# Altium PCB PCB.PcbDoc (part 2 of 2)
Units mm, origin at the board's own origin, x right, y up, seen from the top; angles counter-clockwise.
Board outline 116.25 x 94.25 mm, 4 copper layers (GTL, GL2, GL3, GBL), stack 1.543 mm thick; 176 components, 132 nets, 641 pads, 243 vias.
Unrouted connection lines stored in the file: 8.
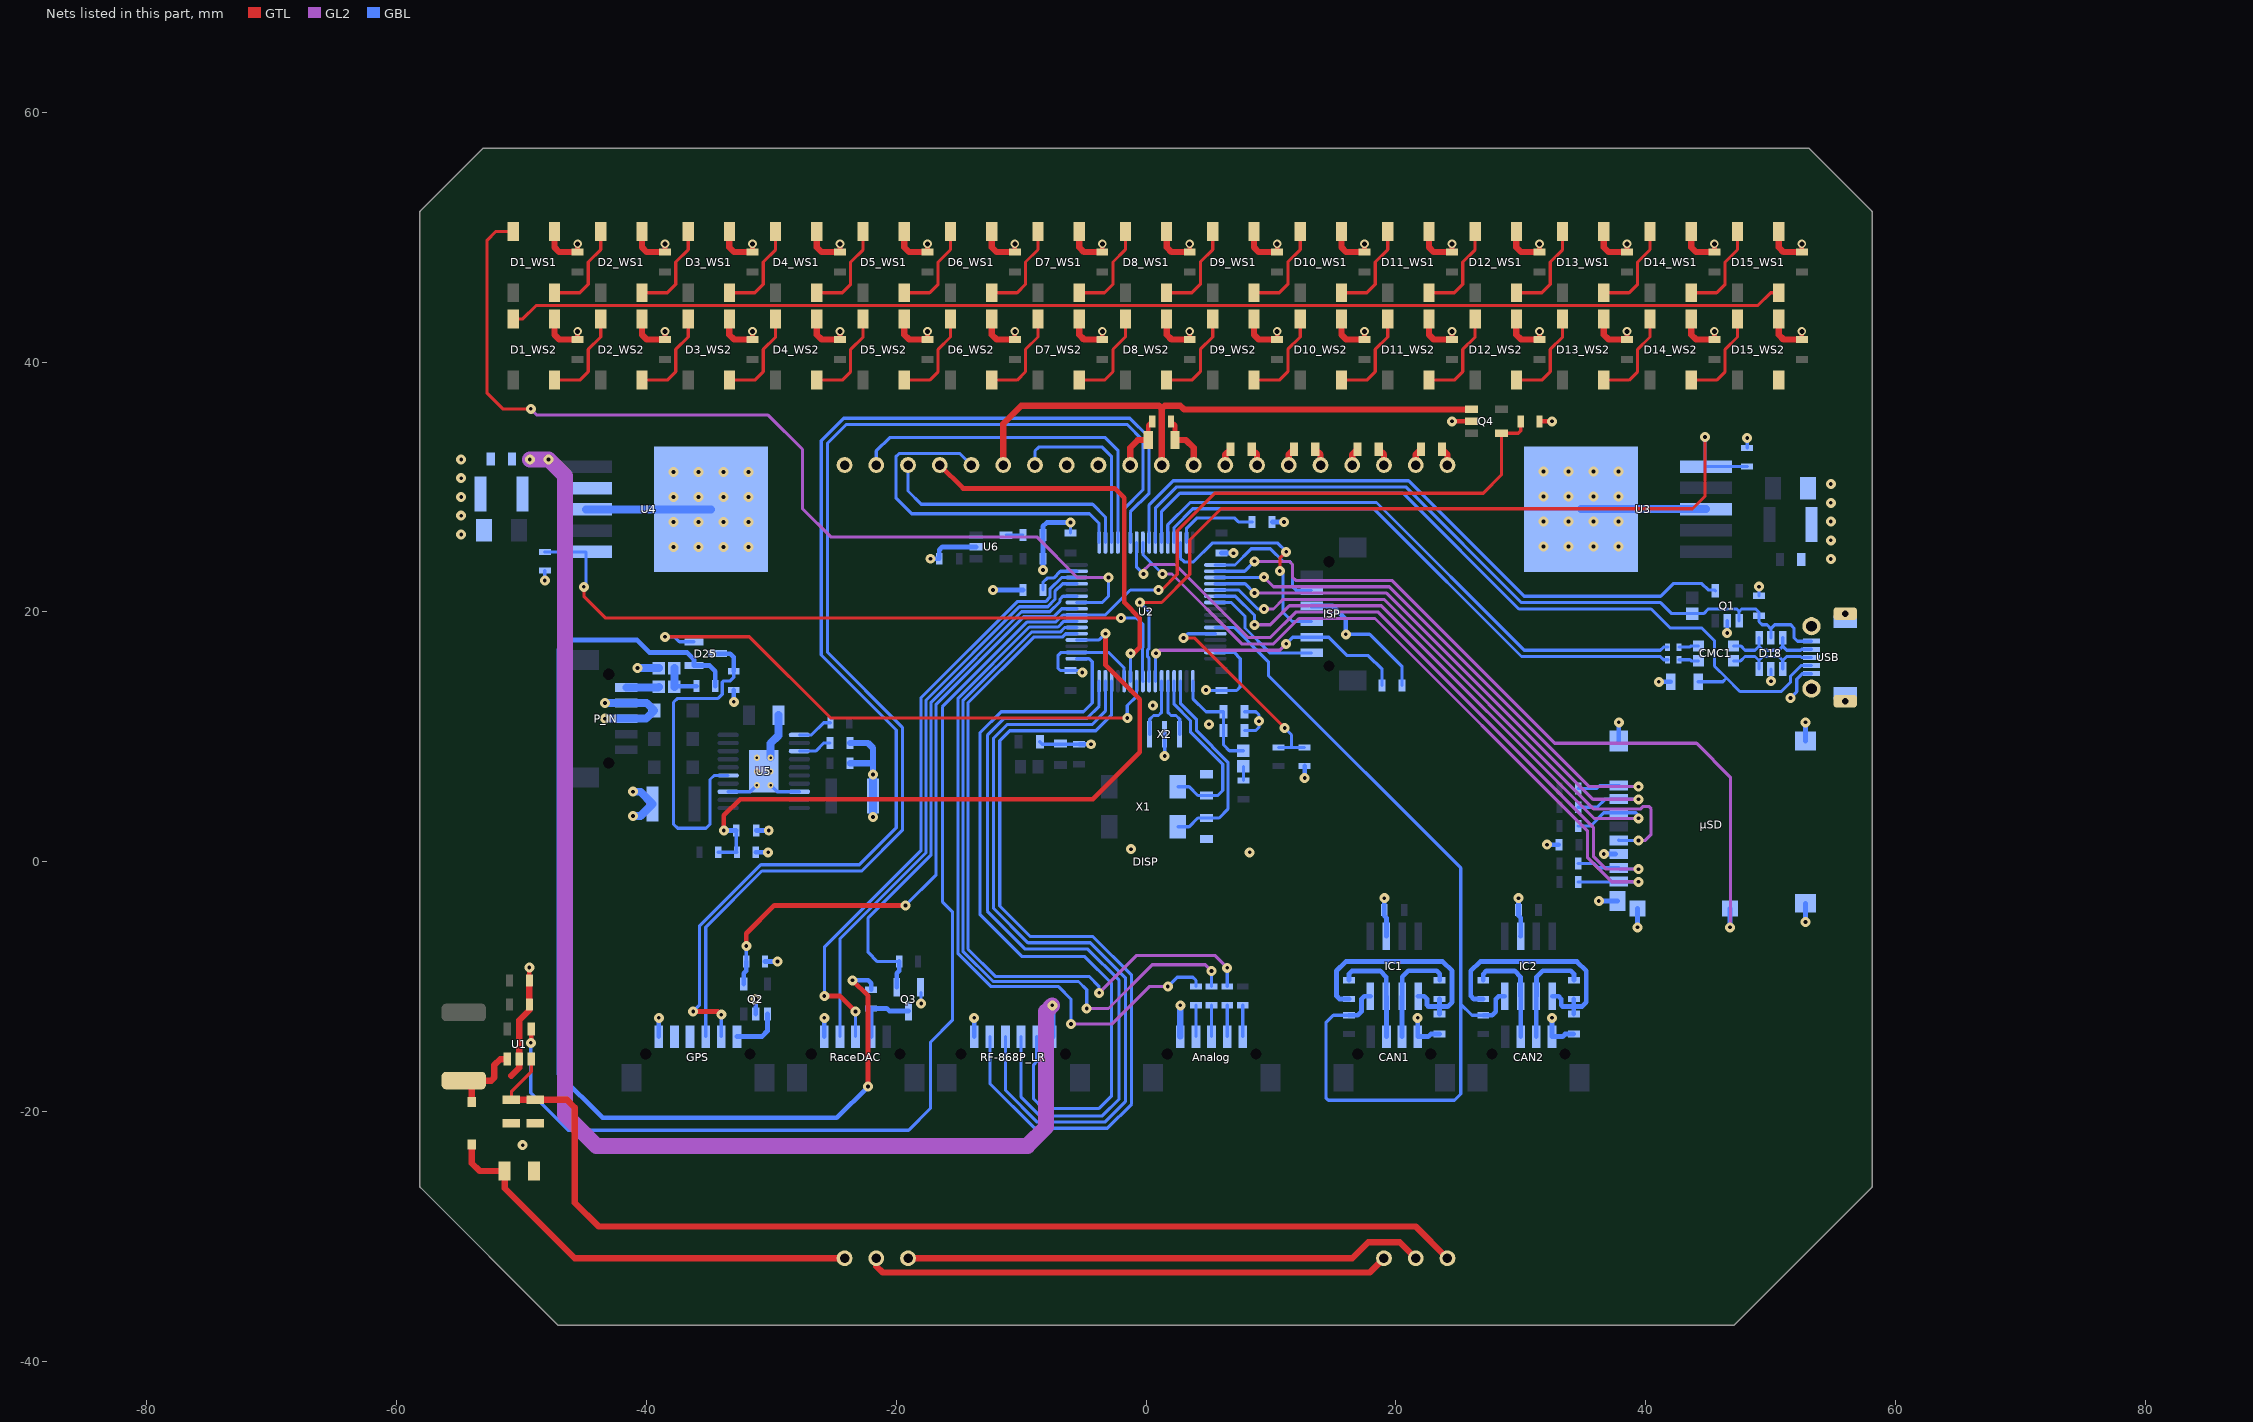
[diagram p4: the nets of this part, all layers, seen from the top]

## Via types
v1: diameter 0.8, hole 0.3, GTL to GBL, 177 vias
v2: diameter 0.7, hole 0.4, GTL to GBL, 60 vias
v3: diameter 0.5, hole 0.2, GTL to GBL, 6 vias

## Nets (pads, with @x,y where several pads share a name; then routed paths per layer and width w, separated by ;. In a path a pad name is that pad's centre, name@x,y a point inside that pad or via, vN(x,y) a via of type N, cw(c..) or ccw(c..) an arc to the next point about the centre after c; other vN are vias at no path point) (continued)
CAN_E\N\: IC1.8 IC2.8 R21.1 R22.1 U2.59 | length 73.6
  GBL w0.254: U2.59@5.55,18.75 7.05,18.75 9.8,16 9.8,14.9 25.2,-0.5 25.2,-11.4 ; R21.1@16.25,-12.3 15,-12.3 14.4,-12.9 14.4,-18.9 14.6,-19.1 24.7,-19.1 25.2,-18.6 25.2,-11.4 ; R22.1@27,-12.3 26.1,-12.3 25.2,-11.4
  GBL w0.381: R21.1@16.25,-12.3 16.95,-12.3 17.25,-12 17.25,-11 17.475,-10.775 IC1.8@17.97,-10.775 ; R22.1@27,-12.3 27.7,-12.3 28,-12 28,-11 28.225,-10.775 IC2.8@28.72,-10.775
DOG_VDD: DISP.30 DISP.35 Q4.1 | length 46.2
  GTL w0.508: DISP.35@-11.43,31.75 -11.43,35.07 -10,36.5 1.04,36.5 1.27,36.27 ; DISP.30@1.27,31.75 1.27,36.27 ; Q4.1@26.05,36.2 3.05,36.2 2.75,36.5 1.5,36.5 1.27,36.27
ENABLE_MAIN: D25.3 R27.2 U5.15 | length 27.3
  GBL w0.254: U5.15@-33.45,6.9 -34.575,6.9 -34.9,6.575 -34.9,3 -35.225,2.675 -37.5,2.675 -37.825,3 -37.825,12.75 -37.5,13.075 -34.25,13.075 -33.925,13.4 -33.925,14.375 -33.825,14.475 -33.275,14.475 -33,14.75 R27.2@-33,15.25
  GBL w0.381: D25.3@-34.275,16.65 -33.275,16.65 -33,16.375 R27.2@-33,15.25
GND: Analog.5 C1_WS1.1 C1_WS2.1 C2_WS1.1 C2_WS2.1 C3_WS1.1 C3_WS2.1 C4_WS1.1 C4_WS2.1 C5_WS1.1 C5_WS2.1 C6_WS1.1 C6_WS2.1 C7_WS1.1 C7_WS2.1 C8_WS1.1 C8_WS2.1 C9_WS1.1 C9_WS2.1 C10_WS1.1 C10_WS2.1 C11_WS1.1 C11_WS2.1 C12_WS1.1 C12_WS2.1 C13_WS1.1 C13_WS2.1 C14_WS1.1 C14_WS2.1 C15_WS1.1 C15_WS2.1 C16.1 C17.2 C18.2 C23.1 C24.2 C25.2 C26.2 C27.2 C28.2 C29.2 C30.2 C31.2 C32.2 C33.2 C34.2 C35.2 C36.2 C37.1 C38.2 C39.2 C40.2 C41.2 C42.2 C43.2 C44.2 C45.2 C46.1 C47.1 C48.2 C49.2 C50.2 C51.2 C52.1 C53.1 C54.2 C55.1 C56.1 C57.2 C58.1 CAN1.1 CAN2.1 D1_WS1.3 D1_WS2.3 D2_WS1.3 D2_WS2.3 D3_WS1.3 D3_WS2.3 D4_WS1.3 D4_WS2.3 D5_WS1.3 D5_WS2.3 D6_WS1.3 D6_WS2.3 D7_WS1.3 D7_WS2.3 D8_WS1.3 D8_WS2.3 D9_WS1.3 D9_WS2.3 D10_WS1.3 D10_WS2.3 D11_WS1.3 D11_WS2.3 D12_WS1.3 D12_WS2.3 D13_WS1.3 D13_WS2.3 D14_WS1.3 D14_WS2.3 D15_WS1.3 D15_WS2.3 D18.2 D23.2 D24.1 DISP.31 DISP.32 DISP.33 DISP.40 GPS.6 IC1.2 IC2.2 ISP.3 P_IN.3 P_IN.4 Q1.2 Q2.2 Q3.2 Q4.2 R1.1 R2.1 R3.1 R4.1 R7.2 R15.1 R16.1 R23.2 R27.1 R29.2 R31.1 RaceDAC.5 RF-868P_LR.6 U1.2 U2.12 U2.18 U2.63 U3.3 U3.6 U4.3 U4.6 U5.8 U5.13 U5.21 U6.2 USB.5 USB.6 X2.2 µSD.6 µSD.9 µSD.11 | length 284.9
  GTL w0.381: C18.2@-49.365,-9.525 v1(-49.365,-8.465) ; C1_WS2.1@-45.5,41.8 v2(-45.5,42.458) ; C1_WS1.1@-45.5,48.8 v2(-45.5,49.458) ; C2_WS2.1@-38.5,41.8 v2(-38.5,42.458) ; C2_WS1.1@-38.5,48.8 v2(-38.5,49.458) ; C3_WS2.1@-31.5,41.8 v2(-31.5,42.458) ; C3_WS1.1@-31.5,48.8 v2(-31.5,49.458) ; C4_WS2.1@-24.5,41.8 v2(-24.5,42.458) ; C4_WS1.1@-24.5,48.8 v2(-24.5,49.458) ; C5_WS2.1@-17.5,41.8 v2(-17.5,42.458) ; C5_WS1.1@-17.5,48.8 v2(-17.5,49.458) ; C6_WS2.1@-10.5,41.8 v2(-10.5,42.458) ; C6_WS1.1@-10.5,48.8 v2(-10.5,49.458) ; C7_WS2.1@-3.5,41.8 v2(-3.5,42.458) ; C7_WS1.1@-3.5,48.8 v2(-3.5,49.458) ; C39.2@0.175,33.75 0.175,34.925 R29.2@0.5,35.25 ; C8_WS2.1@3.5,41.8 v2(3.5,42.458) ; C8_WS1.1@3.5,48.8 v2(3.5,49.458) ; C9_WS2.1@10.5,41.8 v2(10.5,42.458) ; C9_WS1.1@10.5,48.8 v2(10.5,49.458) ; C10_WS2.1@17.5,41.8 v2(17.5,42.458) ; C10_WS1.1@17.5,48.8 v2(17.5,49.458) ; v1(24.5,35.25) Q4.2@26.05,35.25 ; C11_WS2.1@24.5,41.8 v2(24.5,42.458) ; C11_WS1.1@24.5,48.8 v2(24.5,49.458) ; R1.1@31.5,35.25 v1(32.5,35.25) ; C12_WS2.1@31.5,41.8 v2(31.5,42.458) ; C12_WS1.1@31.5,48.8 v2(31.5,49.458) ; C13_WS2.1@38.5,41.8 v2(38.5,42.458) ; C13_WS1.1@38.5,48.8 v2(38.5,49.458) ; C14_WS2.1@45.5,41.8 v2(45.5,42.458) ; C14_WS1.1@45.5,48.8 v2(45.5,49.458) ; C15_WS2.1@52.5,41.8 v2(52.5,42.458) ; C15_WS1.1@52.5,48.8 v2(52.5,49.458)
  GTL w0.508: -50.8,-17.145 -50.165,-16.51 U1.2@-50.165,-15.805 -50.165,-12.7 -49.365,-11.9 C17.2@-49.365,-11.43 C18.2@-49.365,-9.525 ; D1_WS2.3@-47.35,43.45 -47.35,42.188 -46.962,41.8 C1_WS2.1@-45.5,41.8 ; D1_WS1.3@-47.35,50.45 -47.35,49.188 -46.962,48.8 C1_WS1.1@-45.5,48.8 ; D2_WS2.3@-40.35,43.45 -40.35,42.188 -39.962,41.8 C2_WS2.1@-38.5,41.8 ; D2_WS1.3@-40.35,50.45 -40.35,49.188 -39.962,48.8 C2_WS1.1@-38.5,48.8 ; D3_WS2.3@-33.35,43.45 -33.35,42.188 -32.962,41.8 C3_WS2.1@-31.5,41.8 ; D3_WS1.3@-33.35,50.45 -33.35,49.188 -32.962,48.8 C3_WS1.1@-31.5,48.8 ; D4_WS2.3@-26.35,43.45 -26.35,42.188 -25.962,41.8 C4_WS2.1@-24.5,41.8 ; D4_WS1.3@-26.35,50.45 -26.35,49.188 -25.962,48.8 C4_WS1.1@-24.5,48.8 ; D5_WS2.3@-19.35,43.45 -19.35,42.188 -18.962,41.8 C5_WS2.1@-17.5,41.8 ; D5_WS1.3@-19.35,50.45 -19.35,49.188 -18.962,48.8 C5_WS1.1@-17.5,48.8 ; D6_WS2.3@-12.35,43.45 -12.35,42.188 -11.962,41.8 C6_WS2.1@-10.5,41.8 ; D6_WS1.3@-12.35,50.45 -12.35,49.188 -11.962,48.8 C6_WS1.1@-10.5,48.8 ; D7_WS2.3@-5.35,43.45 -5.35,42.188 -4.962,41.8 C7_WS2.1@-3.5,41.8 ; D7_WS1.3@-5.35,50.45 -5.35,49.188 -4.962,48.8 C7_WS1.1@-3.5,48.8 ; DISP.31@-1.27,31.75 -1.27,33.138 -0.658,33.75 C39.2@0.175,33.75 ; D8_WS2.3@1.65,43.45 1.65,42.188 2.038,41.8 C8_WS2.1@3.5,41.8 ; D8_WS1.3@1.65,50.45 1.65,49.188 2.038,48.8 C8_WS1.1@3.5,48.8 ; D9_WS2.3@8.65,43.45 8.65,42.188 9.038,41.8 C9_WS2.1@10.5,41.8 ; D9_WS1.3@8.65,50.45 8.65,49.188 9.038,48.8 C9_WS1.1@10.5,48.8 ; D10_WS2.3@15.65,43.45 15.65,42.188 16.038,41.8 C10_WS2.1@17.5,41.8 ; D10_WS1.3@15.65,50.45 15.65,49.188 16.038,48.8 C10_WS1.1@17.5,48.8 ; D11_WS2.3@22.65,43.45 22.65,42.188 23.038,41.8 C11_WS2.1@24.5,41.8 ; D11_WS1.3@22.65,50.45 22.65,49.188 23.038,48.8 C11_WS1.1@24.5,48.8 ; D12_WS2.3@29.65,43.45 29.65,42.188 30.038,41.8 C12_WS2.1@31.5,41.8 ; D12_WS1.3@29.65,50.45 29.65,49.188 30.038,48.8 C12_WS1.1@31.5,48.8 ; D13_WS2.3@36.65,43.45 36.65,42.188 37.038,41.8 C13_WS2.1@38.5,41.8 ; D13_WS1.3@36.65,50.45 36.65,49.188 37.038,48.8 C13_WS1.1@38.5,48.8 ; D14_WS2.3@43.65,43.45 43.65,42.188 44.038,41.8 C14_WS2.1@45.5,41.8 ; D14_WS1.3@43.65,50.45 43.65,49.188 44.038,48.8 C14_WS1.1@45.5,48.8 ; D15_WS2.3@50.65,43.45 50.65,42.188 51.038,41.8 C15_WS2.1@52.5,41.8 ; D15_WS1.3@50.65,50.45 50.65,49.188 51.038,48.8 C15_WS1.1@52.5,48.8
  GBL w0.254: v1(-48.125,22.5) R16.1@-48.125,23.3 ; U5.13@-33.45,5.6 -31.675,5.6 v3(-31.15,6.125) ; v3(-30.05,6.125) -29.525,5.6 U5.8@-27.75,5.6 ; v1(-18,-11.35) Q3.2@-18,-10.5 ; C28.2@-8.5,9.6 -8.3,9.4 C31.2@-5.35,9.4 ; C35.2@-6.05,26.3 v1(-6.05,27.15) ; v1(-5.1,15.15) -5.25,15.3 C33.2@-6.05,15.3 -6.85,15.3 -7.05,15.5 -7.05,16.5 -6.8,16.75 U2.18@-5.55,16.75 -3,16.75 -1.75,15.5 U2.12@-1.75,14.45 ; v1(1.5,8.45) X2.2@1.5,10.2 ; v1(4.8,13.75) 4.85,13.7 C34.2@6.05,13.7 7.25,13.7 7.55,14 7.55,16.25 7.05,16.75 U2.63@5.55,16.75 ; C30.2@7.9,10.5 8.8,10.5 9.05,10.75 v1(9.05,11.25) 9.05,11.75 8.8,12 C32.2@7.9,12 ; v1(16,18.2) 17.9,18.2 20.5,15.6 C27.2@20.5,14.1 ; v1(46.529,18.309) Q1.2@46.529,19.285 ; R15.1@48.125,33.125 v1(48.125,33.925) ; C37.1@49.069,21.285 v1(49.069,22.009) ; v1(50.025,14.449) D18.2@50.025,15.425 ; v1(51.6,13.11) 52.1,13.61 52.1,14.61 52.54,15.05 USB.5@53.275,15.05
  GBL w0.381: GPS.6@-39,-14 v1(-39,-12.5) ; v1(-33,12.8) R27.1@-33,13.75 ; Q2.2@-31.25,-12.2 v1(-31.25,-11) ; R31.1@-31.25,0.75 v1(-30.25,0.75) ; C50.2@-31.2,2.5 v1(-30.2,2.5) ; R23.2@-30.5,-8 v1(-29.5,-8) ; RaceDAC.5@-25.75,-14 v1(-25.75,-12.5) ; v1(-17.25,24.25) C58.1@-16.55,24.25 -16.55,24.95 -16.3,25.2 U6.2@-13.6,25.2 ; RF-868P_LR.6@-13.75,-14 v1(-13.75,-12.5) ; v1(-12.25,21.75) C26.2@-9.85,21.75 ; v1(-8.25,23.35) C56.1@-8.25,24.25 C57.2@-8.25,26.15 -8.25,26.85 -7.95,27.15 v1(-6.05,27.15) ; C31.2@-5.35,9.4 v1(-4.4,9.4) ; C36.2@6.05,24.7 v1(7,24.7) ; C25.2@10.1,27.2 v1(11.05,27.2) ; v1(12.7,6.7) R4.1@12.7,7.65 ; ISP.3@13.255,20.465 14.935,20.465 16,19.4 v1(16,18.2) ; v1(19.075,-2.925) C46.1@19.075,-3.875 19.075,-4.325 19.25,-4.5 19.25,-5.965 IC1.2@19.24,-5.975 ; v1(21.75,-12.5) CAN1.1@21.75,-14 22.6,-14 22.8,-13.8 C48.2@23.5,-13.8 ; v1(29.825,-2.925) 29.825,-4.325 30,-4.5 30,-5.965 IC2.2@29.99,-5.975 ; v1(32.1,1.36) C38.2@33.05,1.36 ; v1(32.5,-12.5) CAN2.1@32.5,-14 33.35,-14 33.55,-13.8 C49.2@34.25,-13.8 ; v1(36.25,-3.14) µSD.11@37.75,-3.14 ; v1(36.65,0.61) µSD.6@37.6,0.61 ; µSD.11@37.85,9.66 v1(37.85,11.16) ; v1(39.35,-5.25) µSD.9@39.35,-3.75 ; v1(41.05,14.4) R7.2@42,14.4 ; v1(52.8,-4.83) µSD.11@52.8,-3.33 ; µSD.11@52.8,9.66 v1(52.8,11.16)
  GBL w0.508: C55.1@-23.7,7.875 -21.975,7.875 -21.85,7.75 ; C53.1@-23.7,9.5 -22.25,9.5 -21.85,9.1 -21.85,7.75 ; v1(-21.85,6.975) -21.85,7.75 ; Analog.5@2.75,-14 v1(2.75,-11.5)
  GBL w0.635: U4.3@-44.825,28.2 U4.6@-34.825,28.2 ; v1(-43.3,11.45) P_IN.3@-41.6,11.45 -40.025,11.45 D23.2@-39.375,12.1 -39.975,12.7 P_IN.4@-41.6,12.7 v1(-43.3,12.7) ; v1(-41.075,3.65) -40.475,3.65 C51.2@-39.5,4.625 -40.475,5.6 v1(-41.075,5.6) ; v1(-40.7,15.5) D24.1@-39,15.5 ; v3(-30.05,8.325) -30.05,9.475 -29.425,10.1 C52.1@-29.425,11.725 ; v1(-21.85,3.575) C54.2@-21.85,5.275 v1(-21.85,6.975) ; U3.6@34.825,28.225 U3.3@44.825,28.225
  other v1: -49.9,-22.7 8.3,0.75 -1.2,1 5.05,11 0.55,12.5 54.825,24.225 -37.825,25.2 -35.825,25.2 -33.825,25.2 -31.825,25.2 31.825,25.225 33.825,25.225 35.825,25.225 37.825,25.225 54.825,25.725 -54.825,26.2 -37.825,27.2 -35.825,27.2 -33.825,27.2 -31.825,27.2 31.825,27.225 33.825,27.225 35.825,27.225 37.825,27.225 54.825,27.225 -54.825,27.7 54.825,28.725 -54.825,29.2 -37.825,29.2 -35.825,29.2 -33.825,29.2 -31.825,29.2 31.825,29.225 33.825,29.225 35.825,29.225 37.825,29.225 54.825,30.225 -54.825,30.7 -37.825,31.2 -35.825,31.2 -33.825,31.2 -31.825,31.2 31.825,31.225 33.825,31.225 35.825,31.225 37.825,31.225 -54.825,32.2
  other v3: -31.15,7.225 -30.05,7.225 -31.15,8.325
GPS_CANRX: GPS.5
GPS_CANTX: GPS.4
GPS_RX: GPS.3 U2.37 | length 96.4
  GBL w0.254: GPS.3@-35.25,-14 -35.25,-5.25 -30.75,-0.75 -22.75,-0.75 -19.5,2.5 -19.5,10.75 -25.5,16.75 -25.5,33.5 -24,35 -1.5,35 -0.25,33.75 -0.25,29.75 -1.75,28.25 U2.37@-1.75,25.55
GPS_TX: GPS.2 U2.38 | length 100.3
  GTL w0.381: v1(-36.25,-12) -34.25,-12 v1(-34,-12.25)
  GBL w0.254: v1(-36.25,-12) -35.75,-11.5 -35.75,-5.175 -30.825,-0.25 -22.957,-0.25 -20,2.707 -20,10.543 -26,16.543 -26,33.707 -24.207,35.5 -1.293,35.5 0.25,33.957 0.25,29.5 -1.25,28 U2.38@-1.25,25.55 ; GPS.2@-34,-14 v1(-34,-12.25)
GPS_VCC: GPS.1 Q2.1 | length 4
  GBL w0.381: GPS.1@-32.75,-14 -30.75,-14 -30.3,-13.55 Q2.1@-30.3,-12.2
KL15: D22.1 P_IN.5 | length 2.6
  GBL w0.635: P_IN.5@-41.6,13.95 -39.05,13.95 D22.1@-39,14
KL15_PROT: D25.1 R24.1 R26.2 | length 87.7
  GTL w0.381: v1(-23.5,-9.5) -22.25,-10.75 v1(-22.25,-18)
  GBL w0.381: R26.2@-34.475,14.05 -34.475,15.25 -34.925,15.7 D25.1@-36.175,15.7 -36.175,16.175 -36.75,16.75 -39.75,16.75 -40.75,17.75 -46.25,17.75 -47,17 -47,-17 -43.5,-20.5 -24.75,-20.5 v1(-22.25,-18) ; v1(-23.5,-9.5) -22.25,-9.5 -22,-9.75 R24.1@-22,-10.25
NetAnalog_1: Analog.1 R32.1 | length 2.5
  GBL w0.254: Analog.1@7.75,-14 R32.1@7.75,-11.5
NetAnalog_2: Analog.2 R33.1 | length 2.5
  GBL w0.254: Analog.2@6.5,-14 R33.1@6.5,-11.5
NetAnalog_3: Analog.3 R34.1 | length 2.5
  GBL w0.254: Analog.3@5.25,-14 R34.1@5.25,-11.5
NetAnalog_4: Analog.4 R35.1 | length 2.5
  GBL w0.254: Analog.4@4,-14 R35.1@4,-11.5
NetC16_2: C16.2 D16.1 DISP.1 | length 35.3
  GTL w0.508: D16.1@-53.975,-22.655 -53.975,-24.13 -53.34,-24.765 C16.2@-51.34,-24.765 -51.34,-26.13 -45.72,-31.75 DISP.1@-24.13,-31.75
NetC19_1: C19.1 DISP.22 | length 1.4
  GTL w0.508: DISP.22@21.59,31.75 21.59,32.6 C19.1@22.01,33.02
NetC19_2: C19.2 DISP.21 | length 1.4
  GTL w0.508: C19.2@23.71,33.02 24.13,32.6 DISP.21@24.13,31.75
NetC20_1: C20.1 DISP.24 | length 1.4
  GTL w0.508: DISP.24@16.51,31.75 16.51,32.6 C20.1@16.93,33.02
NetC20_2: C20.2 DISP.23 | length 1.4
  GTL w0.508: C20.2@18.63,33.02 19.05,32.6 DISP.23@19.05,31.75
NetC21_1: C21.1 DISP.26 | length 1.4
  GTL w0.508: DISP.26@11.43,31.75 11.43,32.6 C21.1@11.85,33.02
NetC21_2: C21.2 DISP.25 | length 1.4
  GTL w0.508: C21.2@13.55,33.02 13.97,32.6 DISP.25@13.97,31.75
NetC22_1: C22.1 DISP.28 | length 1.4
  GTL w0.508: DISP.28@6.35,31.75 6.35,32.6 C22.1@6.77,33.02
NetC22_2: C22.2 DISP.27 | length 1.4
  GTL w0.508: C22.2@8.47,33.02 8.89,32.6 DISP.27@8.89,31.75
NetC23_2: C23.2 U2.3 X1.1 | length 16.4
  GBL w0.254: X1.1@2.55,2.8 3.45,2.8 4.15,3.5 C23.2@4.85,3.5 5.85,3.5 6.556,4.206 6.556,7.968 4.05,10.475 4.05,11.375 2.75,12.675 U2.3@2.75,14.45
NetC24_1: C24.1 U2.4 X1.4 | length 14.4
  GBL w0.254: U2.4@2.25,14.45 2.25,12.6 3.55,11.3 3.55,10.4 6.15,7.8 6.15,5.7 5.75,5.3 C24.1@4.85,5.3 4.15,5.3 3.45,6 X1.4@2.55,6
NetC25_1: C25.1 U2.47 | length 6.9
  GBL w0.254: U2.47@3.25,25.55 3.25,26.7 4.05,27.5 7.1,27.5 7.4,27.2 C25.1@8.5,27.2
NetC26_1: C26.1 U2.31 | length 3.7
  GBL w0.254: C26.1@-8.25,21.75 -8.25,22.35 -7.9,22.7 -7.4,22.7 -6.85,23.25 U2.31@-5.55,23.25
NetC30_1: C30.1 C32.1 D17.2 U2.1 | length 8.7
  GBL w0.254: U2.1@3.75,14.45 3.75,13.05 4.8,12 C32.1@6.2,12 C30.1@6.2,10.5 6.2,9.35 6.675,8.875 D17.2@7.8,8.875
NetC39_1: C39.1 DISP.29 R29.1 | length 4.8
  GTL w0.381: R29.1@2,35.25 2.325,34.925 C39.1@2.325,33.75
  GTL w0.508: C39.1@2.325,33.75 3.198,33.75 3.81,33.138 DISP.29@3.81,31.75
NetC48_1: C48.1 IC1.5 R17.2 R19.2 | length 20.2
  GBL w0.381: R19.2@16.25,-11 15.5,-11 15.25,-10.75 15.25,-8.75 16,-8 23.75,-8 24.5,-8.75 24.5,-11.25 24.15,-11.6 23.5,-11.6 ; IC1.5@21.78,-10.775 22.275,-10.775 22.5,-11 22.5,-11.5 22.6,-11.6 23.5,-11.6 ; C48.1@23.5,-12.2 23.5,-11.6 ; R17.2@23.5,-11 23.5,-11.6
NetC49_1: C49.1 IC2.5 R18.2 R20.2 | length 20.2
  GBL w0.381: R20.2@27,-11 26.25,-11 26,-10.75 26,-8.75 26.75,-8 34.5,-8 35.25,-8.75 35.25,-11.25 34.9,-11.6 34.25,-11.6 ; IC2.5@32.53,-10.775 33.025,-10.775 33.25,-11 33.25,-11.5 33.35,-11.6 34.25,-11.6 ; C49.1@34.25,-12.2 34.25,-11.6 ; R18.2@34.25,-11 34.25,-11.6
NetC50_1: C50.1 R30.1 R31.2 U2.20 | length 54
  GTL w0.381: v1(-33.8,2.5) -33.8,3.7 -32.5,5 -4.25,5 -0.5,8.75 -0.5,13 -3.25,15.75 v1(-3.25,18.25)
  GBL w0.254: R30.1@-34.25,0.75 R31.2@-32.75,0.75 -32.8,0.8 C50.1@-32.8,2.5 ; U2.20@-5.55,17.75 -3.75,17.75 v1(-3.25,18.25)
  GBL w0.381: v1(-33.8,2.5) C50.1@-32.8,2.5
NetC53_2: C53.2 U5.3 | length 2.7
  GBL w0.254: U5.3@-27.75,8.85 -26.45,8.85 -25.8,9.5 C53.2@-25.3,9.5
NetC57_1: C57.1 U6.4 | length 1.3
  GBL w0.254: U6.4@-11.2,26.15 C57.1@-9.85,26.15
NetCAN1_2: CAN1.2 IC1.6 R17.1 | length 8.6
  GBL w0.381: CAN1.2@20.5,-14 20.5,-10.785 IC1.6@20.51,-10.775 20.52,-10.765 20.52,-9.23 21.01,-8.74 23.26,-8.74 23.51,-8.99 R17.1@23.51,-9.49
NetCAN1_3: CAN1.3 IC1.7 R19.1 | length 8.6
  GBL w0.381: R19.1@16.25,-9.5 16.25,-9 16.5,-8.75 18.75,-8.75 19.24,-9.24 IC1.7@19.24,-10.775 19.25,-10.785 CAN1.3@19.25,-14
NetCAN2_2: CAN2.2 IC2.6 R18.1 | length 8.6
  GBL w0.381: CAN2.2@31.25,-14 31.25,-10.785 IC2.6@31.26,-10.775 ; IC2.6@31.27,-10.765 31.27,-9.23 31.76,-8.74 34.01,-8.74 34.26,-8.99 R18.1@34.26,-9.49
NetCAN2_3: CAN2.3 IC2.7 R20.1 | length 8.6
  GBL w0.381: R20.1@27,-9.5 27,-9 27.25,-8.75 29.5,-8.75 29.99,-9.24 IC2.7@29.99,-10.775 30,-10.785 CAN2.3@30,-14
NetD1_WS1_2: D1_WS1.2 D2_WS1.4 | length 7.6
  GTL w0.254: D1_WS1.2@-47.35,45.55 -45.322,45.55 -44.644,46.228 -44.644,48.006 -43.65,49 D2_WS1.4@-43.65,50.45
NetD1_WS1_4: D1_WS1.4 U2.26 | length 77.5
  GTL w0.254: D1_WS1.4@-50.65,50.45 -52.05,50.45 -52.75,49.75 -52.75,37.5 -51.5,36.25 v1(-49.25,36.25)
  GL2 w0.254: v1(-49.25,36.25) -48.75,35.75 -30.25,35.75 -27.5,33 -27.5,28.25 -25.25,26 -8.75,26 -5.5,22.75 v1(-3,22.75)
  GBL w0.254: U2.26@-5.55,20.75 -3.5,20.75 -3,21.25 v1(-3,22.75)
NetD1_WS2_2: D1_WS2.2 D2_WS2.4 | length 7.6
  GTL w0.254: D1_WS2.2@-47.35,38.55 -45.322,38.55 -44.644,39.228 -44.644,41.006 -43.65,42 D2_WS2.4@-43.65,43.45
NetD1_WS2_4: D1_WS2.4 D15_WS1.2 | length 102.2
  GTL w0.254: D1_WS2.4@-50.65,43.45 -49.886,43.45 -48.815,44.521 48.975,44.521 50.004,45.55 D15_WS1.2@50.65,45.55
NetD2_WS1_2: D2_WS1.2 D3_WS1.4 | length 7.6
  GTL w0.254: D2_WS1.2@-40.35,45.55 -38.322,45.55 -37.644,46.228 -37.644,48.006 -36.65,49 D3_WS1.4@-36.65,50.45
NetD2_WS2_2: D2_WS2.2 D3_WS2.4 | length 7.6
  GTL w0.254: D2_WS2.2@-40.35,38.55 -38.322,38.55 -37.644,39.228 -37.644,41.006 -36.65,42 D3_WS2.4@-36.65,43.45
NetD3_WS1_2: D3_WS1.2 D4_WS1.4 | length 7.6
  GTL w0.254: D3_WS1.2@-33.35,45.55 -31.322,45.55 -30.644,46.228 -30.644,48.006 -29.65,49 D4_WS1.4@-29.65,50.45
NetD3_WS2_2: D3_WS2.2 D4_WS2.4 | length 7.6
  GTL w0.254: D3_WS2.2@-33.35,38.55 -31.322,38.55 -30.644,39.228 -30.644,41.006 -29.65,42 D4_WS2.4@-29.65,43.45
NetD4_WS1_2: D4_WS1.2 D5_WS1.4 | length 7.6
  GTL w0.254: D4_WS1.2@-26.35,45.55 -24.322,45.55 -23.644,46.228 -23.644,48.006 -22.65,49 D5_WS1.4@-22.65,50.45
NetD4_WS2_2: D4_WS2.2 D5_WS2.4 | length 7.6
  GTL w0.254: D4_WS2.2@-26.35,38.55 -24.322,38.55 -23.644,39.228 -23.644,41.006 -22.65,42 D5_WS2.4@-22.65,43.45
NetD5_WS1_2: D5_WS1.2 D6_WS1.4 | length 7.6
  GTL w0.254: D5_WS1.2@-19.35,45.55 -17.322,45.55 -16.644,46.228 -16.644,48.006 -15.65,49 D6_WS1.4@-15.65,50.45
NetD5_WS2_2: D5_WS2.2 D6_WS2.4 | length 7.6
  GTL w0.254: D5_WS2.2@-19.35,38.55 -17.322,38.55 -16.644,39.228 -16.644,41.006 -15.65,42 D6_WS2.4@-15.65,43.45
NetD6_WS1_2: D6_WS1.2 D7_WS1.4 | length 7.6
  GTL w0.254: D6_WS1.2@-12.35,45.55 -10.322,45.55 -9.644,46.228 -9.644,48.006 -8.65,49 D7_WS1.4@-8.65,50.45
NetD6_WS2_2: D6_WS2.2 D7_WS2.4 | length 7.6
  GTL w0.254: D6_WS2.2@-12.35,38.55 -10.322,38.55 -9.644,39.228 -9.644,41.006 -8.65,42 D7_WS2.4@-8.65,43.45
NetD7_WS1_2: D7_WS1.2 D8_WS1.4 | length 7.6
  GTL w0.254: D7_WS1.2@-5.35,45.55 -3.322,45.55 -2.644,46.228 -2.644,48.006 -1.65,49 D8_WS1.4@-1.65,50.45
NetD7_WS2_2: D7_WS2.2 D8_WS2.4 | length 7.6
  GTL w0.254: D7_WS2.2@-5.35,38.55 -3.322,38.55 -2.644,39.228 -2.644,41.006 -1.65,42 D8_WS2.4@-1.65,43.45
NetD8_WS1_2: D8_WS1.2 D9_WS1.4 | length 7.6
  GTL w0.254: D8_WS1.2@1.65,45.55 3.678,45.55 4.356,46.228 4.356,48.006 5.35,49 D9_WS1.4@5.35,50.45
NetD8_WS2_2: D8_WS2.2 D9_WS2.4 | length 7.6
  GTL w0.254: D8_WS2.2@1.65,38.55 3.678,38.55 4.356,39.228 4.356,41.006 5.35,42 D9_WS2.4@5.35,43.45
NetD9_WS1_2: D9_WS1.2 D10_WS1.4 | length 7.6
  GTL w0.254: D9_WS1.2@8.65,45.55 10.678,45.55 11.356,46.228 11.356,48.006 12.35,49 D10_WS1.4@12.35,50.45
NetD9_WS2_2: D9_WS2.2 D10_WS2.4 | length 7.6
  GTL w0.254: D9_WS2.2@8.65,38.55 10.678,38.55 11.356,39.228 11.356,41.006 12.35,42 D10_WS2.4@12.35,43.45
NetD10_WS1_2: D10_WS1.2 D11_WS1.4 | length 7.6
  GTL w0.254: D10_WS1.2@15.65,45.55 17.678,45.55 18.356,46.228 18.356,48.006 19.35,49 D11_WS1.4@19.35,50.45
NetD10_WS2_2: D10_WS2.2 D11_WS2.4 | length 7.6
  GTL w0.254: D10_WS2.2@15.65,38.55 17.678,38.55 18.356,39.228 18.356,41.006 19.35,42 D11_WS2.4@19.35,43.45
NetD11_WS1_2: D11_WS1.2 D12_WS1.4 | length 7.6
  GTL w0.254: D11_WS1.2@22.65,45.55 24.678,45.55 25.356,46.228 25.356,48.006 26.35,49 D12_WS1.4@26.35,50.45
NetD11_WS2_2: D11_WS2.2 D12_WS2.4 | length 7.6
  GTL w0.254: D11_WS2.2@22.65,38.55 24.678,38.55 25.356,39.228 25.356,41.006 26.35,42 D12_WS2.4@26.35,43.45
NetD12_WS1_2: D12_WS1.2 D13_WS1.4 | length 7.6
  GTL w0.254: D12_WS1.2@29.65,45.55 31.678,45.55 32.356,46.228 32.356,48.006 33.35,49 D13_WS1.4@33.35,50.45
NetD12_WS2_2: D12_WS2.2 D13_WS2.4 | length 7.6
  GTL w0.254: D12_WS2.2@29.65,38.55 31.678,38.55 32.356,39.228 32.356,41.006 33.35,42 D13_WS2.4@33.35,43.45
NetD13_WS1_2: D13_WS1.2 D14_WS1.4 | length 7.6
  GTL w0.254: D13_WS1.2@36.65,45.55 38.678,45.55 39.356,46.228 39.356,48.006 40.35,49 D14_WS1.4@40.35,50.45
NetD13_WS2_2: D13_WS2.2 D14_WS2.4 | length 7.6
  GTL w0.254: D13_WS2.2@36.65,38.55 38.678,38.55 39.356,39.228 39.356,41.006 40.35,42 D14_WS2.4@40.35,43.45
NetD14_WS1_2: D14_WS1.2 D15_WS1.4 | length 7.6
  GTL w0.254: D14_WS1.2@43.65,45.55 45.678,45.55 46.356,46.228 46.356,48.006 47.35,49 D15_WS1.4@47.35,50.45
NetD14_WS2_2: D14_WS2.2 D15_WS2.4 | length 7.6
  GTL w0.254: D14_WS2.2@43.65,38.55 45.678,38.55 46.356,39.228 46.356,41.006 47.35,42 D15_WS2.4@47.35,43.45
NetD15_WS2_2: D15_WS2.2
NetD16_2: D16.2 L1.1 U1.1 | length 6.8
  GTL w0.508: D16.2@-53.975,-19.255 -53.975,-18.16 L1.1@-54.61,-17.525 -52.425,-17.525 -52.175,-17.275 -52.175,-16.275 -51.705,-15.805 U1.1@-51.115,-15.805
NetD17_1: D17.1 R6.2 | length 1.1
  GBL w0.254: R6.2@7.8,6.5 D17.1@7.8,7.625
NetD22_2: D22.2 D24.2 R26.1 | length 3.3
  GBL w0.381: D22.2@-37.75,14 -37.7,14.05 R26.1@-35.975,14.05
  GBL w0.635: D22.2@-37.75,14 D24.2@-37.75,15.5
NetD25_2: D25.2 U2.10 | length 45.4
  GTL w0.254: v1(-38.5,18) -31.75,18 -25.25,11.5 v1(-1.5,11.5)
  GBL w0.254: v1(-38.5,18) -37.75,18 -37.35,17.6 D25.2@-36.175,17.6 ; v1(-1.5,11.5) -1.5,12.5 -0.75,13.25 U2.10@-0.75,14.45
NetDISP_2: DISP.2 DISP.18 | length 42
  GTL w0.508: DISP.2@-21.59,-31.75 -21.59,-32.385 -21.082,-32.893 17.907,-32.893 DISP.18@19.05,-31.75
NetDISP_3: DISP.3 DISP.19 | length 41.7
  GTL w0.508: DISP.3@-19.05,-31.75 16.51,-31.75 17.78,-30.48 20.32,-30.48 DISP.19@21.59,-31.75
NetDISP_20: DISP.20 R2.2 R3.2 U1.3 | length 88.6
  GTL w0.254: R3.2@-50.8,-19.05 -50.8,-18.415 -49.215,-16.83 U1.3@-49.215,-15.805
  GTL w0.508: R3.2@-50.8,-19.05 R2.2@-48.895,-19.05 -46.355,-19.05 -45.72,-19.685 -45.72,-27.305 -43.815,-29.21 21.59,-29.21 DISP.20@24.13,-31.75
NetDISP_37: DISP.37 U2.11 | length 31.3
  GTL w0.381: DISP.37@-16.51,31.75 -14.643,29.883 -2.493,29.883 -1.75,29.14 -1.75,20.75 -0.5,19.5 -0.5,17.175 v1@-1,16.675
  GBL w0.254: U2.11@-1.25,14.45 -1.25,16.648 v1(-1.223,16.675)
NetQ2_4: Q2.4 R23.1 U2.25 | length 49.3
  GTL w0.381: v1(-32,-6.75) -32,-5.75 -29.75,-3.5 v1(-19.25,-3.5)
  GBL w0.254: R23.1@-32,-8 v1(-32,-6.75) ; v1(-19.25,-3.5) -16.8,-1.05 -16.8,12.6 -9.8,19.6 -7.4,19.6 -6.75,20.25 U2.25@-5.55,20.25
  GBL w0.381: Q2.4@-32.2,-9.8 -32.2,-8.95 -32,-8.75 R23.1@-32,-8
NetQ3_1: Q3.1 R25.2 U2.27 | length 42.3
  GBL w0.254: R25.2@-19.75,-8 -21.5,-8 -22.25,-7.25 -22.25,-4.499 -17.206,0.544 -17.206,12.768 -9.968,20.006 -7.699,20.006 -6.883,20.823 -6.883,21.017 -6.65,21.25 U2.27@-5.55,21.25
  GBL w0.381: Q3.1@-19.95,-10.05 -19.95,-8.95 -19.75,-8.75 R25.2@-19.75,-8
NetQ3_3: Q3.3 R24.2 RaceDAC.2 | length 5.3
  GBL w0.381: RaceDAC.2@-22,-14 R24.2@-22,-11.75 -20.75,-11.75 -20.55,-11.95 Q3.3@-19,-11.95
NetQ4_4: Q4.4 R1.2 U1.4 U2.24 | length 132.5
  GTL w0.254: v1(1,21.75) 1.25,21.75 2.5,23 2.5,26.5 5.5,29.5 27,29.5 28.45,30.95 Q4.4@28.45,34.3 29.8,34.3 30,34.5 R1.2@30,35.25
  GTL w0.381: v1(-49.25,-14.5) -49.215,-14.465 U1.4@-49.215,-13.405
  GBL w0.254: v1(-49.25,-14.5) -49.25,-18.5 -46.25,-21.5 -19,-21.5 -17.25,-19.75 -17.25,-14.457 -15.5,-12.707 -15.5,-4 -16.3,-3.2 -16.3,12.393 -9.499,19.194 -7.206,19.194 -6.65,19.75 U2.24@-5.55,19.75 -3.25,19.75 -1.25,21.75 v1(1,21.75)
NetR4_2: R4.2 R5.1 U2.60 | length 17.7
  GTL w0.254: v1(3,17.9) 3.9,17.9 v1(11.1,10.7)
  GBL w0.254: v1(3,17.9) 3.35,18.25 U2.60@5.55,18.25 ; R5.1@10.6,9.15 11.65,9.15 ; v1(11.1,10.7) 11.65,10.15 11.65,9.15 ; R4.2@12.7,9.15 11.65,9.15
NetR15_2: R15.2 U2.8 U3.1 | length 67.5
  GTL w0.254: v1(-0.5,20.75) 1.25,20.75 3.5,23 3.5,25.75 6,28.25 43.75,28.25 44.75,29.25 v1(44.75,34)
  GBL w0.254: v1(-0.5,20.75) 0.25,20 0.25,17.077 0.13,16.956 0.13,16.394 0.25,16.273 U2.8@0.25,14.45 ; v1(44.75,34) 44.75,31.7 U3.1@44.825,31.625 R15.2@48.125,31.625
NetR16_2: R16.2 U2.9 U4.1 | length 57.4
  GTL w0.254: v1@-45,22.25 v1(-45,22) -45,21.25 -43.25,19.5 v1(-2,19.5)
  GBL w0.254: R16.2@-48.125,24.8 U4.1@-44.825,24.8 -44.825,22.175 v1(-45,22) ; v1(-2,19.5) -0.75,19.5 -0.25,19 -0.25,17.152 -0.277,17.125 -0.277,14.477 U2.9@-0.25,14.45
NetR28_1: R28.1 U5.1 | length 2.9
  GBL w0.254: U5.1@-27.75,10.15 -26.775,10.15 -25.8,11.125 R28.1@-25.25,11.125
NetR33_2: R33.2 U2.21 | length 56.4
  GL2 w0.254: v1(-3.75,-10.5) -0.75,-7.5 5.5,-7.5 v1(6.5,-8.5)
  GBL w0.254: U2.21@-5.55,18.25 -6.426,18.25 -6.701,17.974 -8.994,17.974 -14.25,12.719 -14.25,-7 -12.063,-9.187 -4.563,-9.187 -3.75,-10 v1(-3.75,-10.5) ; R33.2@6.5,-10 v1(6.5,-8.5)
NetR34_2: R34.2 U2.22 | length 57.2
  GL2 w0.254: v1(-4.75,-11.75) -3,-11.75 0.5,-8.25 4.75,-8.25 v1(5.25,-8.75)
  GBL w0.254: U2.22@-5.55,18.75 -6.501,18.75 -6.87,18.381 -9.163,18.381 -14.656,12.887 -14.656,-7.168 -12.231,-9.594 -5.406,-9.594 -4.75,-10.25 v1(-4.75,-11.75) ; R34.2@5.25,-10 v1(5.25,-8.75)
NetR35_2: R35.2 U2.23 | length 57.2
  GL2 w0.254: v1(-6,-13) -2.75,-13 0.25,-10 v1(1.75,-10)
  GBL w0.254: v1(-6,-13) -6,-11 -7,-10 -12.399,-10 -15.063,-7.337 -15.063,13.055 -9.331,18.787 -7.038,18.787 -6.575,19.25 U2.23@-5.55,19.25 ; v1(1.75,-10) 2.5,-9.25 3.75,-9.25 4,-9.5 R35.2@4,-10
NetRaceDAC_3: RaceDAC.3 U2.30 | length 48.9
  GTL w0.381: v1(-25.75,-10.75) -24.5,-10.75 v1(-23.25,-12)
  GBL w0.254: v1(-25.75,-10.75) -25.75,-6.85 -18.019,0.881 -18.019,13.105 -10.305,20.819 -8.036,20.819 -7.696,21.159 -7.696,21.804 -6.75,22.75 U2.30@-5.55,22.75 ; RaceDAC.3@-23.25,-14 v1(-23.25,-12)
NetRaceDAC_4: RaceDAC.4 U2.29 | length 46.1
  GBL w0.254: RaceDAC.4@-24.5,-14 -24.5,-6.175 -17.613,0.712 -17.613,12.937 -10.137,20.413 -7.867,20.413 -7.289,20.991 -7.289,21.636 -6.675,22.25 U2.29@-5.55,22.25
NetU2_5: U2.5 X2.3 | length 4.9
  GBL w0.254: U2.5@1.75,14.45 1.75,11.95 2,11.7 2.4,11.7 2.7,11.4 X2.3@2.7,10.2
NetU2_6: U2.6 X2.1 | length 4.9
  GBL w0.254: X2.1@0.3,10.2 0.3,11.4 0.6,11.7 1,11.7 1.25,11.95 U2.6@1.25,14.45
Reset: C27.1 ISP.5 U2.7 | length 23.2
  GL2 w0.254: v1(0.809,16.675) 1.063,16.929 10.715,16.929 v1(11.223,17.437)
  GBL w0.254: U2.7@0.75,14.45 0.75,16.616 v1(0.809,16.675) ; v1(11.223,17.437) 11.751,17.965 ISP.5@13.255,17.965 14.635,17.965 16.1,16.5 17.8,16.5 18.9,15.4 C27.1@18.9,14.1
SCLK: ISP.2 U2.49 | length 10.7
  GBL w0.254: U2.49@5.55,23.75 7.122,23.75 8.429,25.057 9.953,25.057 10.969,24.041 11.477,24.041 11.731,23.787 11.731,22.009 12.025,21.715 ISP.2@13.255,21.715
SDIO_CK: U2.53 µSD.5 | length 47.8
  GL2 w0.254: v1(9.445,20.231) 10.207,20.231 10.969,20.993 19.053,20.993 35.817,4.229 39.616,4.229 39.809,4.422 40.24,4.422 40.433,4.229 40.433,2.197 39.925,1.689 v1(39.417,1.689)
  GBL w0.254: U2.53@5.55,21.75 7.418,21.75 8.937,20.231 v1(9.445,20.231) ; µSD.5@37.85,1.71 37.871,1.689 v1(39.417,1.689)
SDIO_CMD: R10.2 U2.54 µSD.3 | length 48.5
  GL2 w0.254: v1(8.683,18.961) 9.953,18.961 11.477,20.485 18.843,20.485 35.861,3.467 v1(39.417,3.467)
  GBL w0.254: U2.54@5.55,21.25 7.156,21.25 8.683,19.723 v1(8.683,18.961) ; R10.2@34.6,2.86 35.6,2.86 36.65,3.91 µSD.3@37.85,3.91 39.228,3.91 39.417,3.721 v1(39.417,3.467)
SDIO_D0: R11.2 U2.39 µSD.7 | length 61
  GL2 w0.254: v1(-0.207,23.025) -0.207,23.279 0.301,23.787 2.333,23.787 8.175,17.945 9.953,17.945 11.985,19.977 18.589,19.977 35.817,2.749 35.817,0.419 36.833,-0.597 v1(39.417,-0.597)
  GBL w0.254: U2.39@-0.75,25.55 -0.75,23.568 v1(-0.207,23.025) ; R11.2@34.6,-0.14 35.85,-0.14 36.2,-0.49 µSD.7@37.85,-0.49 37.957,-0.597 v1(39.417,-0.597)
SDIO_D1: R12.2 U2.40 µSD.8 | length 59.2
  GL2 w0.254: v1(1.317,23.025) 2.079,23.025 7.667,17.437 10.207,17.437 12.239,19.469 18.335,19.469 35.353,2.451 35.353,0.309 37.275,-1.613 v1(39.417,-1.613)
  GBL w0.254: U2.40@-0.25,25.55 -0.25,24.592 v1(1.317,23.025) ; R12.2@34.6,-1.64 37.8,-1.64 37.827,-1.613 v1(39.417,-1.613)
SDIO_D2: R8.2 U2.51 µSD.1 | length 45.8
  GL2 w0.254: v1(9.445,22.771) 10.207,22.009 19.474,22.009 35.476,6.007 v1(39.417,6.007)
  GBL w0.254: U2.51@5.55,22.75 9.424,22.75 v1(9.445,22.771) ; R8.2@34.6,5.86 36.1,5.86 36.35,6.11 µSD.1@37.85,6.11 37.953,6.007 v1(39.417,6.007)
SDIO_D3: R9.2 U2.52 µSD.2 | length 46.1
  GL2 w0.254: v1(8.683,21.501) 19.264,21.501 35.774,4.991 v1(39.417,4.991)
  GBL w0.254: U2.52@5.55,22.25 7.934,22.25 v1(8.683,21.501) ; R9.2@34.6,4.36 36.1,4.36 36.75,5.01 µSD.2@37.85,5.01 37.869,4.991 v1(39.417,4.991)
SDIO_SW: U2.50 µSD.10 | length 63
  GL2 w0.254: v1(8.683,24.041) 11.477,24.041 11.731,23.787 11.731,22.771 11.985,22.517 19.685,22.517 32.726,9.476 44.076,9.476 46.783,6.769 v1@46.783,-5.423
  GBL w0.254: U2.50@5.55,23.25 7.892,23.25 v1(8.683,24.041)
  GBL w0.381: v1(46.75,-5.25) µSD.10@46.75,-3.75
SPI2_CD: DISP.34 U2.35 | length 14.6
  GBL w0.254: DISP.34@-8.89,31.75 -8.89,32.884 -8.589,33.185 -3.509,33.185 -2.75,32.426 U2.35@-2.75,25.55
SPI2_MOSI: DISP.39 U2.36 | length 28.7
  GBL w0.254: DISP.39@-21.59,31.75 -21.59,32.884 -20.527,33.947 -3.255,33.947 -2.25,32.942 U2.36@-2.25,25.55
SPI2_NSS: DISP.36 U2.33 | length 28.5
  GBL w0.254: DISP.36@-13.97,31.75 -14.897,32.677 -19.765,32.677 -20.019,32.423 -20.019,29.121 -18.749,27.851 -4.525,27.851 -3.75,27.076 U2.33@-3.75,25.55
SPI2_SCK: DISP.38 U2.34 | length 20.8
  GBL w0.254: DISP.38@-19.05,31.75 -19.05,29.676 -17.987,28.613 -4.271,28.613 -3.25,27.592 U2.34@-3.25,25.55
SWD: ISP.4 U2.46 | length 18.5
  GTL w0.254: v1(10.715,23.279) 10.715,24.295 v1(11.223,24.803)
  GBL w0.254: U2.46@2.75,25.55 2.75,24.3 3.05,24 3.8,24 5.3,25.5 10.55,25.5 11.223,24.827 v1(11.223,24.803) ; v1(10.715,23.279) 10.969,23.025 10.969,19.977 11.731,19.215 ISP.4@13.255,19.215
SWO: ISP.6 U2.55 | length 9.9
  GBL w0.254: U2.55@5.55,20.75 6.827,20.75 7.921,19.656 7.921,18.707 9.913,16.715 ISP.6@13.255,16.715
TEL_CTS: RF-868P_LR.4 U2.15 | length 64.3
  GBL w0.254: RF-868P_LR.4@-11.25,-14 -11.25,-18.306 -8.706,-20.85 -3.294,-20.85 -1.65,-19.206 -1.65,-9.294 -4.449,-6.496 -9.455,-6.496 -12.2,-3.751 -12.2,9.901 -11.127,10.974 -4.326,10.974 -3.25,12.05 U2.15@-3.25,14.45
TEL_RTS: RF-868P_LR.5 U2.14 | length 66.3
  GBL w0.254: RF-868P_LR.5@-12.5,-14 -12.5,-17.757 -8.911,-21.346 -3.089,-21.346 -1.154,-19.411 -1.154,-9.089 -4.243,-6 -9.25,-6 -11.704,-3.546 -11.704,9.696 -10.922,10.478 -4.022,10.478 -2.75,11.75 U2.14@-2.75,14.45
TEL_RX: RF-868P_LR.3 U2.16 | length 62.2
  GBL w0.254: RF-868P_LR.3@-10,-14 -10,-18.849 -8.499,-20.35 -3.501,-20.35 -2.15,-18.999 -2.15,-9.501 -4.656,-6.996 -9.662,-6.996 -12.7,-3.958 -12.7,10.108 -11.334,11.474 -4.726,11.474 -3.75,12.45 U2.16@-3.75,14.45
TEL_TX: RF-868P_LR.2 U2.17 | length 63.1
  GBL w0.254: RF-868P_LR.2@-8.75,-14 -8.75,-16 -9,-16.25 -9,-19 -8.25,-19.75 -3.75,-19.75 -2.75,-18.75 -2.75,-9.75 -4.904,-7.596 -9.911,-7.596 -13.3,-4.207 -13.3,10.3 -11.6,12 -5,12 -4.3,12.7 -4.3,16 -4.55,16.25 U2.17@-5.55,16.25
TEL_VCC: C43.1 C45.1 RF-868P_LR.1 U4.4 | length 107.1
  GL2 w1.27: v1(-49.325,32.2) v1(-47.825,32.2) -46.5,30.875 -46.5,-20.25 -44,-22.75 -9.5,-22.75 -8,-21.25 -8,-12 v1(-7.5,-11.5)
  GBL w0.508: RF-868P_LR.1@-7.5,-14 v1(-7.5,-11.5)
USB_5VEN: Q1.4 U2.41 | length 53.6
  GBL w0.254: U2.41@0.25,25.55 0.25,28.562 2.188,30.5 21.02,30.5 30.273,21.247 41.195,21.247 42.211,22.263 44.497,22.263 45.005,21.755 45.509,21.755 Q1.4@45.579,21.685
USB_D1_N: CMC1.2 R13.1 | length 1.6
  GBL w0.254: R13.1@42.661,17.183 43.556,17.183 43.648,17.275 CMC1.2@44.225,17.275
USB_D1_P: CMC1.3 R14.1 | length 1.6
  GBL w0.254: R14.1@42.661,16.167 43.556,16.167 43.648,16.075 CMC1.3@44.225,16.075
USB_D2_N: CMC1.1 D18.4 D18.6 USB.2 | length 8.3
  GBL w0.254: CMC1.1@47.025,17.275 47.602,17.275 47.948,16.929 48.756,16.929 49.075,17.248 ; D18.4@49.075,17.925 49.075,17.248 ; D18.6@50.975,17.925 50.975,17.248 ; USB.2@53.275,17 52.473,17 52.402,16.929 51.294,16.929 50.975,17.248 ; 49.075,17.248 49.394,16.929 50.656,16.929 50.975,17.248
USB_D2_P: CMC1.4 D18.1 D18.3 USB.3 | length 8.3
  GBL w0.254: CMC1.4@47.025,16.075 47.602,16.075 47.948,16.421 48.756,16.421 49.075,16.102 ; D18.3@49.075,15.425 49.075,16.102 ; D18.1@50.975,15.425 50.975,16.102 ; USB.3@53.275,16.35 52.473,16.35 52.402,16.421 51.294,16.421 50.975,16.102 ; 49.075,16.102 49.394,16.421 50.656,16.421 50.975,16.102
USB_D_N: R13.2 U2.44 | length 47.2
  GBL w0.254: U2.44@1.742,25.55 1.742,26.962 3.53,28.75 18.452,28.75 30.273,16.929 41.18,16.929 41.434,17.183 R13.2@41.761,17.183
USB_D_P: R14.2 U2.45 | length 46.3
  GBL w0.254: U2.45@2.25,25.55 2.25,26.752 3.748,28.25 18.234,28.25 30.063,16.421 41.18,16.421 41.434,16.167 R14.2@41.761,16.167
USB_ID: R7.1 U2.43 USB.4 | length 66.4
  GBL w0.254: U2.43@1.25,25.55 1.25,28.038 2.712,29.5 20.583,29.5 29.852,20.231 40.433,20.231 41.957,18.707 44.497,18.707 45.513,17.691 45.513,15.659 46.472,14.7 ; R7.1@44.2,14.4 46.172,14.4 46.472,14.7 ; USB.4@53.275,15.7 52.44,15.7 51.6,14.86 51.6,14.38 50.847,13.627 47.545,13.627 46.472,14.7
USB_VBUS: C37.2 D18.5 D19.2 Q1.1 U2.42 USB.1 | length 64.2
  GBL w0.254: U2.42@0.75,25.55 0.75,28.3 2.45,30 20.802,30 30.063,20.739 41.195,20.739 42.074,19.86 D19.2@43.735,19.86 44.634,19.86 45.005,20.231 47.291,20.231 47.479,20.043 ; Q1.1@47.479,19.285 47.479,20.043 ; D18.5@50.025,17.925 50.025,18.647 ; USB.1@53.275,17.65 52.158,17.65 51.863,17.945 51.863,18.707 51.609,18.961 50.339,18.961 50.025,18.647 ; 47.479,20.043 47.667,20.231 48.815,20.231 49.069,19.977 C37.2@49.069,19.685 49.069,19.215 49.323,18.961 49.711,18.961 50.025,18.647
pads on no net: Analog. CAN1. CAN2. GPS. ISP. P_IN. Q1.3 Q2.3 Q4.3 RaceDAC. RF-868P_LR. U2.2 U2.28 U2.56 U3.5 U4.5 U5.2 U5.5 U5.6 U5.7 U5.9 U5.10 U5.11 U5.12 U5.14 U5.16 U5.17 U5.18 U5.20 X1.2 X1.3

## Polygon pours and split planes (outlines as drawn)
no net on GBL "GBL-No Net 2" (solid, pour order 22): 58,-26 47,-37 -47,-37 -58,-26 -58,52 -53,57 53,57 58,52
TEL_VCC on GBL "GBL-No Net" (solid, pour order 14): -42.825,28.7 -46.825,28.7 -47.825,27.7 -50.825,27.7 -51.325,28.2 -51.325,33.2 -50.825,33.7 -42.825,33.7 -41.825,32.7 -41.825,29.7
GND on GBL "GBL-No Net" (solid, pour order 12): -51.825,33.2 -52.325,33.7 -54.325,33.7 -55.325,32.7 -55.325,25.2 -54.325,24.2 -52.325,24.2 -51.825,24.7
GND on GBL "GBL-No Net" (solid, pour order 4): 51.825,23.225 52.325,22.725 54.325,22.725 55.325,23.725 55.325,31.225 54.325,32.225 52.325,32.225 51.825,31.725
5V_LED on GBL "GBL-No Net" (solid, pour order 2): 42.825,27.725 46.825,27.725 47.825,28.725 50.825,28.725 51.325,28.225 51.325,23.225 50.825,22.725 42.825,22.725 41.825,23.725 41.825,26.725
GND on GBL "GBL-No Net 1" (solid, pour order 10): 0.75,14.45 0.75,13.45 -0.95,11.75 -0.95,10.5 -5.2,6.25 -5.2,0.75 -4.45,0 9.05,0 9.8,0.75 9.8,12.5 9.05,13.25 6.3,13.25 4.3,15.25 0.8,15.25
GND on GTL "GBL-No Net 2" (solid, pour order 19): 58,-26 47,-37 -47,-37 -58,-26 -58,52 -53,57 53,57 58,52
GND on GTL "Top Layer-No Net" (solid, remove dead copper, pour order 0): -51.435,-15.24 -51.435,-17.145 -52.705,-18.415 -52.705,-23.495 -52.07,-24.13 -50.8,-24.13 -50.165,-24.765 -50.165,-26.035 -49.53,-26.67 -47.625,-26.67 -46.99,-26.035 -46.99,-20.955 -48.26,-19.685 -51.435,-19.685 -51.435,-18.415 -50.8,-18.415 -48.26,-15.875 -48.895,-15.24
no net on GL2 "GBL-No Net 2" (solid, pour order 20): 58,-26 47,-37 -47,-37 -58,-26 -58,52 -53,57 53,57 58,52
3V3 on GL2 "GL2-No Net" (solid, pour order 18): -13,0 -14,1 -14,29 -13,30 13,30 14,29 14,1 13,0
GND on GL3 (split plane): 57.617,51.841 57.617,-25.841 46.841,-36.617 -46.841,-36.617 -57.617,-25.841 -57.617,51.841 -52.841,56.617 52.841,56.617

## Silkscreen, mask and mechanical layers (free items; w line width, h text height)
GTO:
  lines w0.254: -58,0 0,0 58,0 ; -57.9,-14.5 -56.9,-14.5 ; -45.575,24.8 -44.825,24.8 ; -44.825,24.05 -44.825,24.8 ; -44.825,25.3 -44.825,24.8 ; -44.325,24.8 -44.825,24.8 ; -2,0 2,0 ; 0,-35 0,-40 ; 0,-2 0,2 ; -58,52 -53,57 ; -58,52 -58,-26 -47,-37 47,-37 58,-26 58,0 ; -58,52 -53,57 ; -53,57 53,57 ; 0,-40 50,-40 ; 0,-40 -50,-40 -85,-5 -85,59 -80,64 80,64 85,59 85,-5 50,-40 ; 0,-40 50,-40 ; 53,57 58,52 ; 53,57 55,55 58,52 ; 58,0 58,52